# Altium PCB PCB_v4.PcbDoc (part 5 of 7)
Units mm, origin at the board's own origin, x right, y up, seen from the top; angles counter-clockwise.
Board outline 171.45 x 152.4 mm, 6 copper layers (Top Layer, Int1 (GND), Int2 (Sign), Int3 (Sign), Int4 (PWR), Bottom Layer), stack 1.551 mm thick; 408 components, 505 nets, 2356 pads, 897 vias.
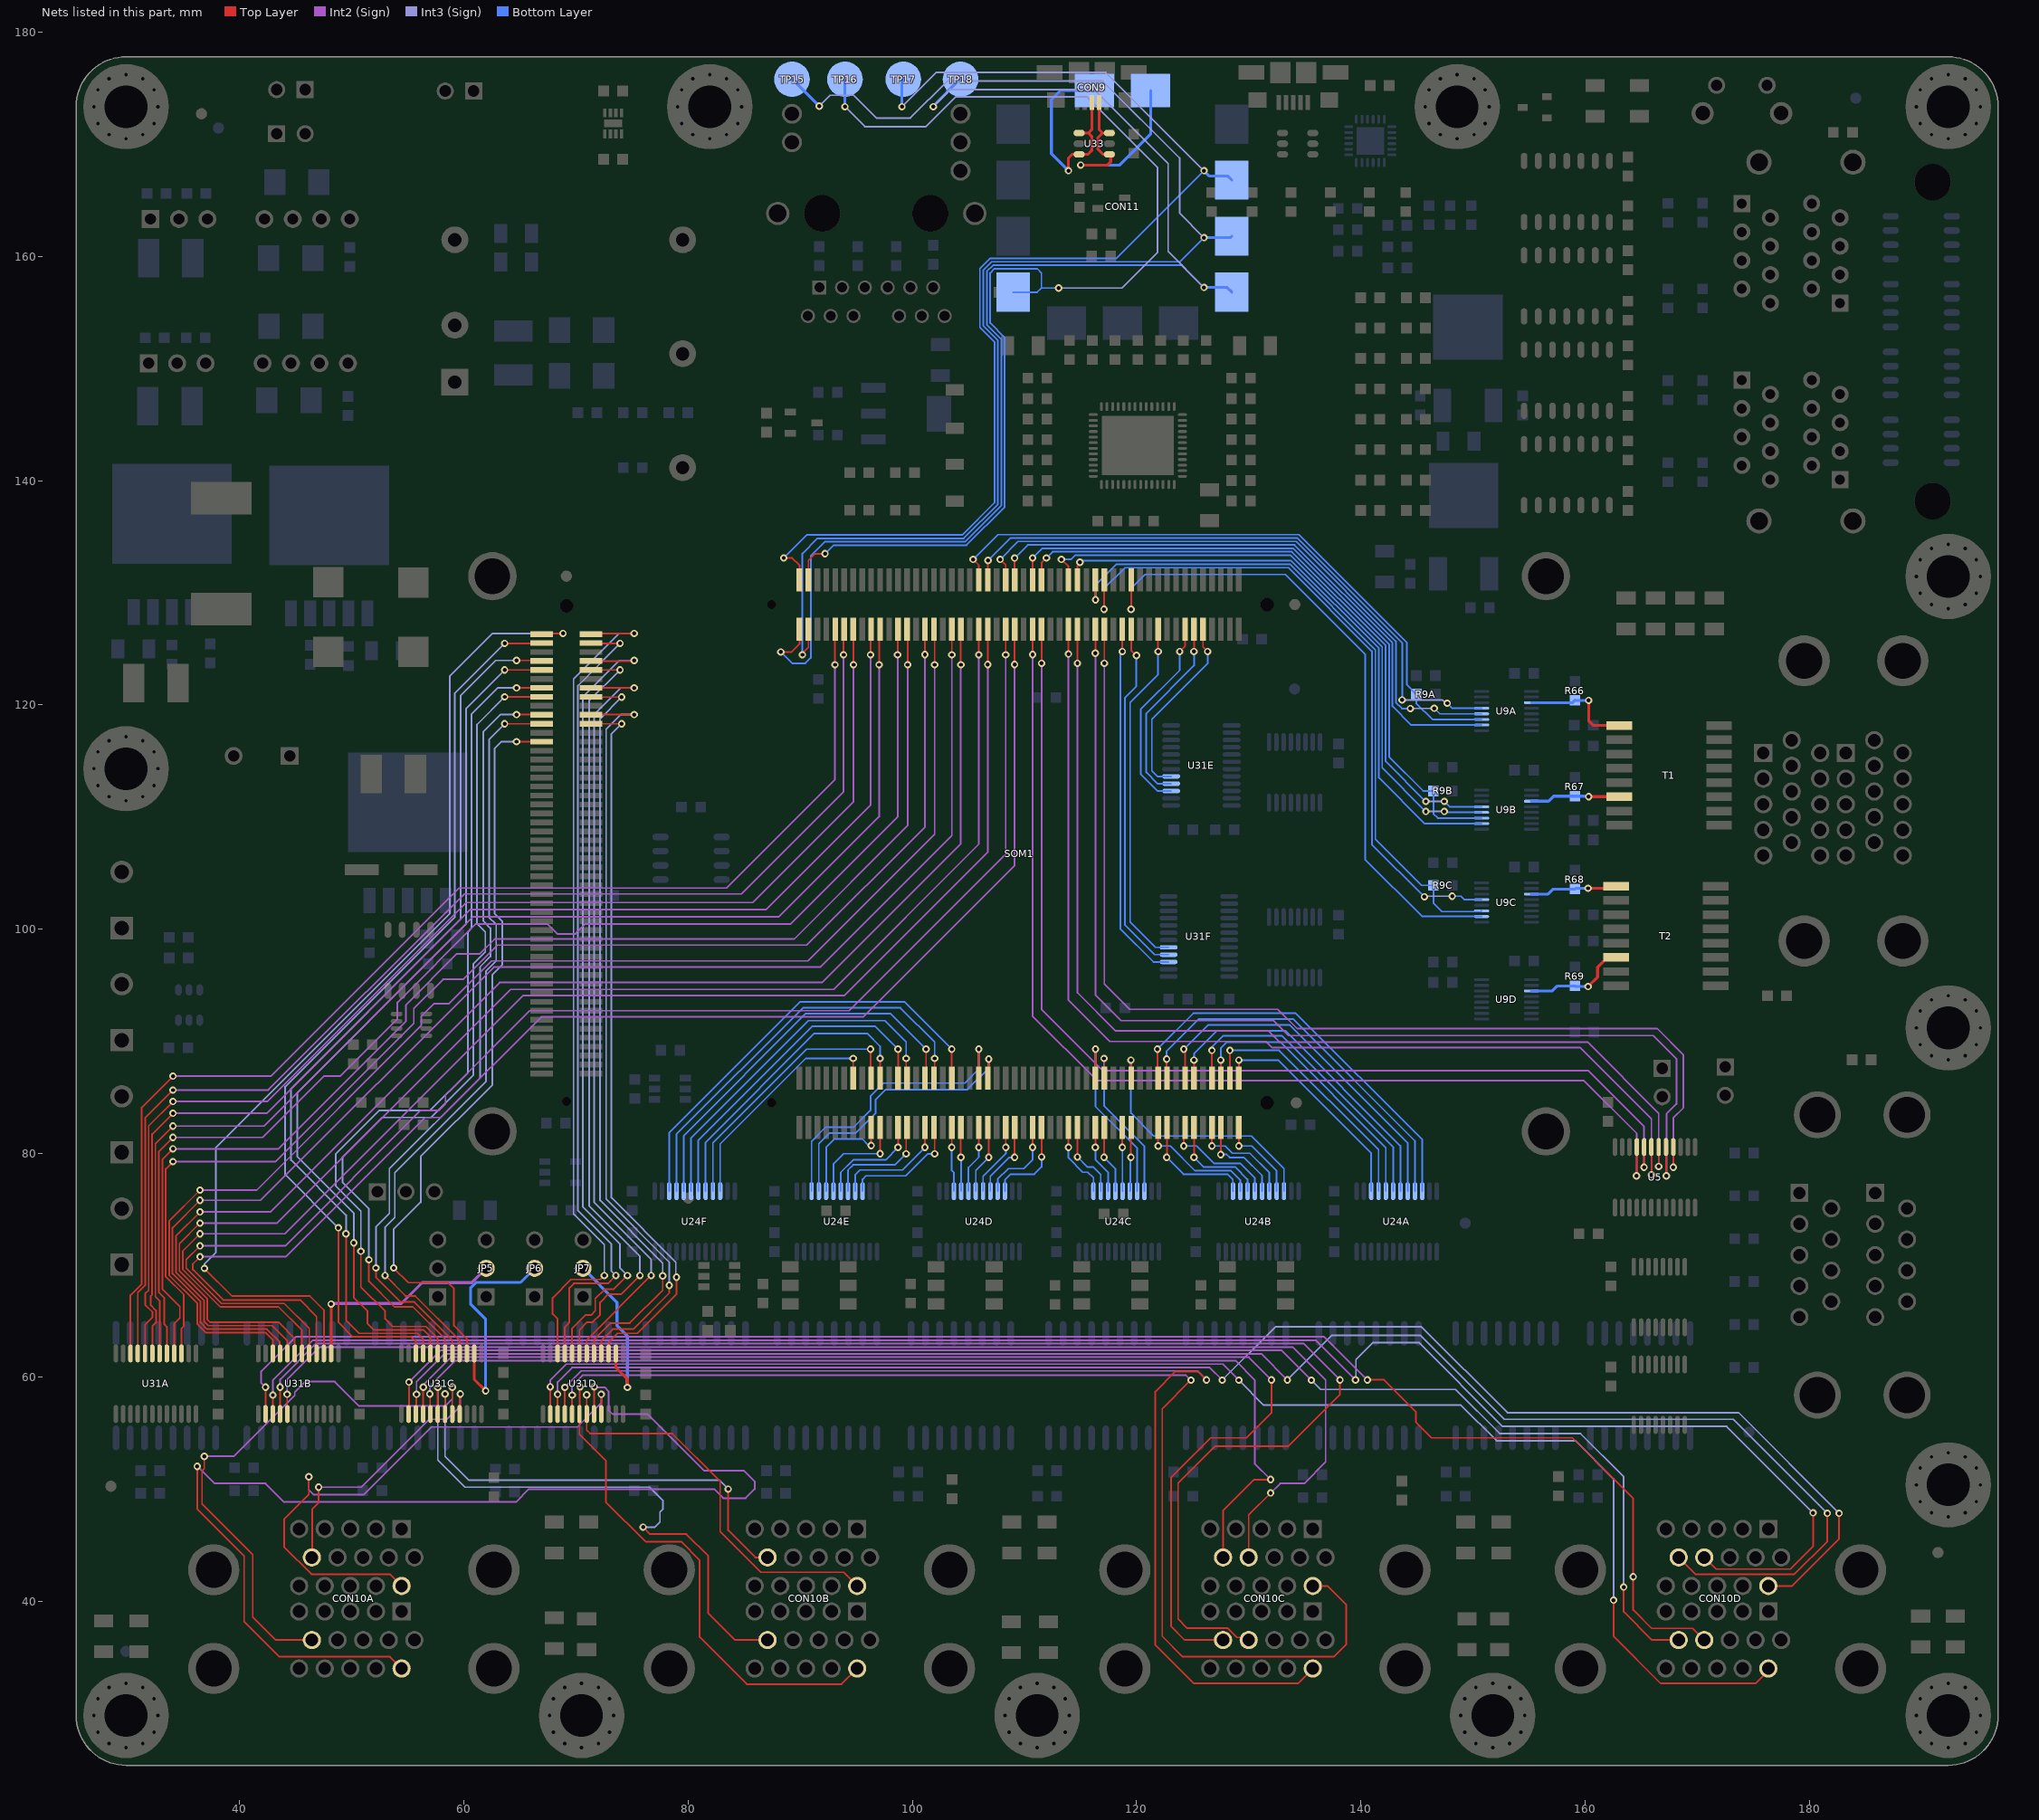
[diagram p9: the nets of this part, all layers, seen from the top]

## Via types
v1: diameter 0.66, hole 0.356, Top Layer to Bottom Layer, tented both sides, 808 vias
v2: diameter 1.016, hole 0.508, Top Layer to Bottom Layer, tented both sides, 72 vias
v3: diameter 0.66, hole 0.343, Top Layer to Bottom Layer, tented both sides, 7 vias
v4: diameter 1.524, hole 0.508, Top Layer to Bottom Layer, tented both sides, 7 vias
v5: diameter 1.524, hole 0.762, Top Layer to Bottom Layer, tented both sides, 2 vias
v6: diameter 2.032, hole 1.016, Top Layer to Bottom Layer, tented both sides, 1 vias

## Nets (pads, with @x,y where several pads share a name; then routed paths per layer and width w, separated by ;. In a path a pad name is that pad's centre, name@x,y a point inside that pad or via, vN(x,y) a via of type N, cw(c..) or ccw(c..) an arc to the next point about the centre after c; other vN are vias at no path point) (continued)
INV_STS_B5: CON10C.9A U31B.17 | length 118.1
  Top Layer w0.152: v1(44.22,58.495) 44.22,56.76 U31B.17@44.245,56.736 ; CON10C.9A@129.997,43.942 129.997,47.74 v1(131.953,49.696)
  Int2 (Sign) w0.152: v1(44.22,58.495) 44.22,59.816 47.117,62.713 133.898,62.713 136.855,59.756 136.855,52.451 134.95,50.546 132.803,50.546 v1(131.953,49.696)
INV_STS_B6: CON10C.9B U31B.16 | length 138.5
  Top Layer w0.152: U31B.16@43.595,56.736 v1(43.595,59.131) ; CON10C.9B@129.997,36.576 129.769,36.804 128.956,36.804 128.128,37.632 124.525,37.632 123.698,38.459 123.698,50.568 126.978,53.848 133.507,53.848 138.137,58.477 v1(138.137,59.782)
  Int2 (Sign) w0.152: v1(43.595,59.131) 43.595,59.835 46.777,63.017 134.901,63.017 v1(138.137,59.782)
INV_STS_B7: CON10D.9A U31B.15 | length 166
  Top Layer w0.152: U31B.15@42.945,56.736 v1(42.945,58.42) ; CON10D.9A@170.637,43.942 171.679,42.901 178.31,42.901 180.34,44.931 v1(180.34,47.919)
  Int2 (Sign) w0.152: v1(42.945,58.42) 42.945,59.735 46.531,63.322 135.989,63.322 v1(139.529,59.782)
  Int3 (Sign) w0.152: v1(139.529,59.782) 139.563,59.816 139.563,61.585 141.097,63.119 145.161,63.119 152.654,55.626 172.633,55.626 v1(180.34,47.919)
INV_STS_B8: CON10D.9B U31B.14 | length 151.6
  Top Layer w0.152: U31B.14@42.295,56.736 v1(42.295,59.125) ; v1(140.584,59.782) 142.075,59.782 144.907,56.95 144.907,56.007 146.304,54.61 158.877,54.61 164.295,49.192 v1(164.295,42.213) 164.295,39.264 165.942,37.617 169.596,37.617 CON10D.9B@170.637,36.576
  Int2 (Sign) w0.152: v1(42.295,59.125) 41.91,59.509 41.91,60.554 44.983,63.627 136.739,63.627 v1(140.584,59.782)
INV_STS_B_DIR: JP5.2 U31B.2 | length 19.6
  Top Layer w0.254: U31B.2@48.145,62.136 v1(48.145,66.548)
  Int2 (Sign) w0.254: v1(48.145,66.548) 48.19,66.594 54.407,66.594 56.266,68.453 60.696,68.453 JP5.2@61.974,69.731
INV_STS_C1: CON10A.10A U31C.21 | length 25
  Top Layer w0.152: CON10A.10A@46.431,43.942 46.461,43.972 46.461,48.27 47.034,48.843 v1(47.034,50.209) ; U31C.21@59.605,56.736 59.633,56.764 59.633,58.49 v1(59.665,58.522)
  Int2 (Sign) w0.152: v1(47.034,50.209) 50.844,50.209 56.896,56.261 58.479,56.261 59.665,57.446 v1(59.665,58.522)
INV_STS_C2: CON10A.10B U31C.20 | length 52.1
  Top Layer w0.152: v1(36.83,52.959) 36.83,51.869 36.627,51.666 36.627,48.717 41.148,44.196 41.148,38.633 43.205,36.576 CON10A.10B@46.431,36.576 ; U31C.20@58.954,56.737 v1@58.954,59.124
  Int2 (Sign) w0.152: v1(36.83,52.959) 39.474,52.959 44.904,58.389 44.904,58.696 45.839,59.631 48.467,59.631 50.651,57.446 58.305,57.446 58.953,58.095 v1(58.953,59.125)
INV_STS_C3: CON10B.10A U31C.19 | length 42
  Top Layer w0.152: U31C.19@58.305,56.736 v1(58.305,58.522) ; v1(83.566,50.038) 83.566,46.367 85.991,43.942 CON10B.10A@87.071,43.942
  Int3 (Sign) w0.152: v1(58.305,58.522) 58.305,52.947 60.413,50.839 82.765,50.839 v1(83.566,50.038)
INV_STS_C4: CON10B.10B U31C.18 | length 52.4
  Top Layer w0.152: U31C.18@57.655,56.736 v1(57.655,59.112) ; v1(75.979,46.642) 76.596,46.025 79.832,46.025 81.788,44.069 81.788,38.964 84.176,36.576 CON10B.10B@87.071,36.576
  Int3 (Sign) w0.152: v1(57.655,59.112) 57.658,59.109 57.658,52.622 60.071,50.209 76.537,50.209 77.749,48.997 77.749,48.26 77.482,47.992 77.482,47.095 77.029,46.642 v1(75.979,46.642)
INV_STS_C5: CON10C.10A U31C.17 | length 96.8
  Top Layer w0.152: v1(56.947,58.522) 56.977,58.491 56.977,56.764 U31C.17@57.005,56.736 ; CON10C.10A@127.711,43.942 127.711,48.128 130.471,50.888 v1(131.953,50.888)
  Int2 (Sign) w0.152: v1(56.947,58.522) 56.947,59.194 59.246,61.493 128.806,61.493 130.556,59.743 130.556,52.285 v1(131.953,50.888)
INV_STS_C6: CON10C.10B U31C.16 | length 112.8
  Top Layer w0.152: U31C.16@56.355,56.736 56.359,56.74 56.359,59.127 v1(56.363,59.131) ; CON10C.10B@127.711,36.576 124.284,36.576 123.063,37.797 123.063,51.048 126.625,54.61 129.804,54.61 132.026,56.831 v1(132.026,59.782)
  Int2 (Sign) w0.152: v1(56.363,59.131) 56.363,59.336 58.825,61.798 130.009,61.798 v1(132.026,59.782)
INV_STS_C7: CON10D.10A U31C.15 | length 156.5
  Top Layer w0.152: U31C.15@55.705,56.736 55.733,56.764 55.733,58.462 v1(55.766,58.495) ; CON10D.10A@168.351,43.942 169.85,42.443 178.677,42.443 181.61,45.376 v1(181.61,47.879)
  Int2 (Sign) w0.152: v1(55.766,58.495) 55.766,59.6 58.269,62.103 131.122,62.103 v1(133.444,59.782)
  Int3 (Sign) w0.152: v1(133.444,59.782) 137.416,63.754 145.299,63.754 152.792,56.261 173.228,56.261 v1(181.61,47.879)
INV_STS_C8: CON10D.10B U31C.14 | length 135
  Top Layer w0.152: U31C.14@55.055,56.736 55.093,56.773 v1(55.093,59.584) ; v1(163.449,41.297) 163.449,39.094 165.967,36.576 CON10D.10B@168.351,36.576
  Int2 (Sign) w0.152: v1(55.093,59.584) 57.917,62.408 132.933,62.408 v1(135.585,59.756)
  Int3 (Sign) w0.152: v1(135.585,59.756) 136.413,58.928 148.444,58.928 152.381,54.991 159.6,54.991 163.449,51.142 v1(163.449,41.297)
INV_STS_C_DIR: JP6.2 U31C.2 | length 19.9
  Top Layer w0.254: U31C.2@60.905,62.136 60.905,59.826 v1(61.93,58.801)
  Bottom Layer w0.254: v1(61.93,58.801) 61.93,65.195 60.579,66.546 60.579,67.97 61.085,68.476 65.039,68.476 JP6.2@66.293,69.731
INV_STS_D1: CON10A.11A U31D.21 | length 52.5
  Top Layer w0.152: v1(46.157,51.142) 46.157,49.568 43.942,47.354 43.942,44.887 46.385,42.443 53.391,42.443 CON10A.11A@54.432,41.402 ; U31D.21@72.245,56.736 v1(72.245,58.495)
  Int2 (Sign) w0.152: v1(46.157,51.142) 46.157,49.982 46.609,49.53 51.054,49.53 57.099,55.575 70.114,55.575 72.245,57.706 v1(72.245,58.495)
INV_STS_D2: CON10A.11B U31D.20 | length 105.5
  Top Layer w0.152: v1(36.195,52.07) 36.195,48.26 40.386,44.069 40.386,38.227 43.536,35.077 53.391,35.077 CON10A.11B@54.432,34.036 ; U31D.20@71.595,56.736 71.607,56.748 71.607,59.144 v1(71.619,59.157)
  Int2 (Sign) w0.152: v1(36.195,52.07) 36.239,52.07 37.763,50.546 42.295,50.546 43.946,48.895 64.634,48.895 65.777,50.038 82.308,50.038 83.12,49.225 85.115,49.225 85.928,50.038 85.928,50.724 84.963,51.689 81.414,51.689 76.381,56.722 73.261,56.722 72.895,57.089 72.895,58.76 72.543,59.111 71.664,59.111 v1(71.619,59.157)
INV_STS_D3: CON10B.11A U31D.19 | length 35.7
  Top Layer w0.152: v1(70.942,58.436) v1(70.942,58.436) 70.943,56.737 U31D.19@70.945,56.736 70.945,55.293 71.247,54.991 78.581,54.991 82.852,50.721 82.852,46.234 86.465,42.621 93.853,42.621 CON10B.11A@95.072,41.402
INV_STS_D4: CON10B.11B U31D.18 | length 45
  Top Layer w0.152: v1(70.349,59.157) 70.322,59.129 70.322,56.763 U31D.18@70.295,56.736 70.295,54.927 72.644,52.578 72.644,48.895 76.188,45.351 79.363,45.351 81.026,43.688 81.026,36.83 85.217,32.639 93.675,32.639 CON10B.11B@95.072,34.036
INV_STS_D5: CON10C.11A U31D.17 | length 107.1
  Top Layer w0.152: U31D.17@69.645,56.736 v1(69.645,58.42) ; v1(124.847,59.756) 122.287,57.196 122.287,36.907 124.117,35.077 137.602,35.077 138.684,36.159 138.684,39.751 137.033,41.402 CON10C.11A@135.712,41.402
  Int2 (Sign) w0.152: v1(69.645,58.42) 69.645,59.281 70.56,60.197 124.406,60.197 v1(124.847,59.756)
INV_STS_D6: CON10C.11B U31D.16 | length 104.8
  Top Layer w0.152: U31D.16@68.995,56.736 v1(68.995,59.112) ; v1(126.228,59.782) 125.476,60.534 123.46,60.534 121.666,58.74 121.666,36.131 125.095,32.703 134.379,32.703 CON10C.11B@135.712,34.036
  Int2 (Sign) w0.152: v1(68.995,59.112) 70.461,60.579 125.431,60.579 v1(126.228,59.782)
INV_STS_D7: CON10D.11A U31D.15 | length 137.4
  Top Layer w0.152: U31D.15@68.345,56.736 v1(68.345,58.495) ; CON10D.11A@176.352,41.402 178.46,41.402 182.665,45.606 v1(182.665,47.879)
  Int2 (Sign) w0.152: v1(68.345,58.495) 68.345,59.584 69.645,60.884 126.507,60.884 v1(127.635,59.756)
  Int3 (Sign) w0.152: v1(127.635,59.756) 132.395,64.516 145.415,64.516 153.079,56.852 173.692,56.852 v1(182.665,47.879)
INV_STS_D8: CON10D.11B U31D.14 | length 133
  Top Layer w0.152: U31D.14@67.695,56.736 v1(67.695,59.157) ; v1(162.538,40.132) 162.538,36.914 166.75,32.703 175.222,32.703 176.124,33.605 176.124,33.808 CON10D.11B@176.352,34.036
  Int2 (Sign) w0.152: v1(67.695,59.157) 67.695,59.766 69.118,61.189 127.711,61.189 129.118,59.782 v1(129.118,59.756)
  Int3 (Sign) w0.152: v1(129.118,59.756) 131.343,57.531 148.924,57.531 152.099,54.356 159.131,54.356 162.538,50.949 v1(162.538,40.132)
INV_STS_D_DIR: JP7.2 U31D.2 | length 15.8
  Top Layer w0.152: U31D.2@73.545,62.136 U31D.2@73.587,62.178
  Top Layer w0.254: U31D.2@73.545,62.136 73.545,60.879 74.57,59.854 v1(74.57,59.112)
  Bottom Layer w0.254: JP7.2@70.612,69.731 73.651,66.692 73.651,64.618 74.57,63.699 v1(74.57,59.112)
IPA: R66.1 T1.1 U9A.11 | length 9.9
  Top Layer w0.254: v1(160.318,120.396) 160.318,118.576 160.743,118.151 T1.1@163.068,118.151
  Bottom Layer w0.254: U9A.11@155.221,120.194 158.893,120.194 R66.1@159.099,120.4 159.102,120.396 v1(160.318,120.396)
IPB: R67.1 T1.6 U9B.11 | length 8.1
  Top Layer w0.254: v1(160.318,111.801) T1.6@163.068,111.801
  Bottom Layer w0.254: U9B.11@155.221,111.4 156.746,111.4 157.196,111.85 R67.1@159.099,111.85 160.269,111.85 v1(160.318,111.801)
IPC: R68.1 T2.1 U9C.11 | length 7.8
  Top Layer w0.254: v1(160.274,103.632) 162.58,103.632 T2.1@162.773,103.825
  Bottom Layer w0.254: U9C.11@155.221,103.115 156.709,103.115 157.159,103.565 R68.1@159.099,103.565 159.166,103.632 v1(160.274,103.632)
IPD: R69.1 T2.6 U9D.11 | length 9.4
  Top Layer w0.254: v1(160.274,94.869) 161.119,95.714 161.119,96.598 161.996,97.475 T2.6@162.773,97.475
  Bottom Layer w0.254: U9D.11@155.221,94.476 157.087,94.476 157.537,94.926 R69.1@159.099,94.926 159.156,94.869 v1(160.274,94.869)
JTAG_TCK: CON11.2 SOM1.JX1-1 TP17.1 | length 106.1
  Top Layer w0.152: v1(88.519,133.096) 89.281,133.096 89.918,132.459 SOM1.JX1-1@89.918,131.146
  Int3 (Sign) w0.152: v1(99.06,173.355) 102.108,176.403 117.25,176.403 v1(126.013,167.64)
  Bottom Layer w0.152: v1(88.519,133.096) 90.576,135.153 104.445,135.153 107.315,138.024 107.315,152.377 106.02,153.672 106.02,158.906 106.936,159.822 118.196,159.822 v1(126.013,167.64)
  Bottom Layer w0.254: v1(99.06,173.355) 99.06,175.728 TP17.1@99.187,175.855 ; v1(126.013,167.64) 126.498,167.155 128.141,167.155 CON11.2@128.495,166.801
JTAG_TDI: CON11.3 SOM1.JX1-4 TP15.1 | length 124.7
  Top Layer w0.152: v1(90.184,124.46) 90.184,124.592 90.718,125.126 SOM1.JX1-4@90.718,126.746
  Int3 (Sign) w0.152: v1(91.694,173.402) 92.663,174.371 94.742,174.371 96.774,172.339 99.82,172.339 103.122,175.641 116.967,175.641 123.825,168.783 123.825,163.859 v1(126.013,161.671)
  Bottom Layer w0.152: v1(90.184,124.46) 90.184,133.491 91.542,134.849 104.571,134.849 107.62,137.897 107.62,152.503 106.324,153.798 106.324,158.779 107.062,159.518 123.86,159.518 v1(126.013,161.671)
  Bottom Layer w0.254: TP15.1@89.256,175.855 89.256,175.841 v1(91.694,173.402) ; v1(126.013,161.671) 128.365,161.671 CON11.3@128.495,161.801
JTAG_TDO: CON11.8 SOM1.JX1-3 TP16.1 | length 105.6
  Top Layer w0.152: SOM1.JX1-3@90.718,131.146 90.718,132.882 91.313,133.477 v1(92.202,133.477)
  Int3 (Sign) w0.152: v1(93.98,173.355) 95.758,171.577 101.219,171.577 103.886,174.244 115.561,174.244 121.855,167.95 121.855,160.336 118.701,157.182 v1(113.044,157.182)
  Bottom Layer w0.152: v1(92.202,133.477) 92.964,134.239 104.824,134.239 108.229,137.645 108.229,152.756 106.934,154.051 106.934,158.527 107.315,158.908 111.125,158.908 111.506,158.527 111.506,157.182 ; CON11.8@108.995,156.801 111.125,156.801 111.506,157.182 ; v1(113.044,157.182) 111.506,157.182
  Bottom Layer w0.254: v1(93.98,173.355) TP16.1@93.98,175.804 TP16.1@93.98,175.855
JTAG_TMS: CON11.4 SOM1.JX1-2 TP18.1 | length 119.2
  Top Layer w0.152: v1(88.265,124.708) 89.207,124.708 89.918,125.419 SOM1.JX1-2@89.918,126.746
  Int3 (Sign) w0.152: v1(101.854,173.355) 103.378,174.879 116.205,174.879 122.809,168.275 122.809,160.43 v1(126.013,157.226)
  Bottom Layer w0.152: v1(88.265,124.708) 89.275,123.698 90.449,123.698 90.932,124.181 90.932,133.3 92.176,134.544 104.697,134.544 107.925,137.771 107.925,152.629 106.629,153.925 106.629,158.653 107.189,159.213 124.026,159.213 v1(126.013,157.226)
  Bottom Layer w0.254: v1(101.854,173.355) 101.854,173.417 TP18.1@104.292,175.855 ; v1(126.013,157.226) 128.07,157.226 CON11.4@128.495,156.801
JTAG_USB_N: CON9.2 CON11.13 U33.4 U33.6 | length 21.1
  Top Layer w0.254: v1(115.013,168.148) 117.394,168.148 117.69,168.444 117.69,169.103 U33.4@117.568,169.103 117.002,169.103 116.536,169.569 116.536,170.581 116.958,171.003 ; CON9.2@116.652,173.728 116.652,171.309 116.958,171.003 ; U33.6@117.568,171.003 116.958,171.003
  Bottom Layer w0.254: v1(115.013,168.148) 118.491,168.148 121.245,170.902 CON11.13@121.245,174.801
JTAG_USB_P: CON9.3 CON11.12 U33.1 U33.3 | length 20
  Top Layer w0.254: v1(113.919,167.64) 113.919,168.783 114.239,169.103 U33.3@114.868,169.103 115.668,169.103 116.002,169.437 116.002,170.713 115.712,171.003 ; U33.1@114.868,171.003 115.712,171.003 ; CON9.3@116.002,173.728 116.002,171.293 115.712,171.003
  Bottom Layer w0.254: v1(113.919,167.64) 112.395,169.164 112.395,173.99 113.206,174.801 CON11.12@116.245,174.801
LV_ENC_1A: SOM1.JX1-54 U5.21 | length 99.1
  Top Layer w0.152: v1(110.718,124.486) SOM1.JX1-54@110.718,126.746 ; v1(164.592,77.978) 164.605,77.991 164.605,80.538 U5.21@164.618,80.551
  Int2 (Sign) w0.152: v1(110.718,124.486) 110.718,92.228 116.459,86.487 159.885,86.487 164.618,81.754 164.618,78.004 v1(164.592,77.978)
LV_ENC_1B: SOM1.JX1-56 U5.20 | length 97.4
  Top Layer w0.152: SOM1.JX1-56@111.518,126.746 111.518,123.702 v1(111.522,123.698) ; v1(165.268,78.749) U5.20@165.268,80.551
  Int2 (Sign) w0.152: v1(111.522,123.698) 111.522,92.821 116.967,87.376 160.274,87.376 165.268,82.382 v1(165.268,78.749)
LV_ENC_1Z: SOM1.JX1-62 U5.19 | length 96.9
  Top Layer w0.152: v1(113.918,124.536) SOM1.JX1-62@113.918,126.746 ; v1(165.918,78.074) U5.19@165.918,80.551
  Int2 (Sign) w0.152: v1(113.918,124.536) 113.918,93.661 117.607,89.971 131.536,89.971 132.095,89.412 159.575,89.412 165.918,83.069 v1(165.918,78.074)
LV_ENC_2A: SOM1.JX1-64 U5.18 | length 95.2
  Top Layer w0.152: v1(114.718,123.702) SOM1.JX1-64@114.718,126.746 ; v1(166.568,78.819) U5.18@166.568,80.551
  Int2 (Sign) w0.152: v1(114.718,123.702) 114.718,94.32 118.106,90.932 131.743,90.932 132.759,89.916 160.214,89.916 166.568,83.562 v1(166.568,78.819)
LV_ENC_2B: SOM1.JX1-68 U5.17 | length 100.2
  Top Layer w0.152: v1(116.318,124.599) SOM1.JX1-68@116.318,126.746 ; U5.17@167.218,80.551 167.238,80.531 167.238,77.999 v1(167.259,77.978)
  Int2 (Sign) w0.152: v1(116.318,124.599) 116.318,94.126 118.623,91.821 132.214,91.821 133.539,90.497 166.08,90.497 168.148,88.428 168.148,84.382 167.259,83.493 v1(167.259,77.978)
LV_ENC_2Z: SOM1.JX1-70 U5.16 | length 98.1
  Top Layer w0.152: v1(117.118,123.702) SOM1.JX1-70@117.118,126.746 ; v1(167.868,78.749) U5.16@167.868,80.551
  Int2 (Sign) w0.152: v1(117.118,123.702) 117.118,95.099 119.38,92.837 132.595,92.837 134.313,91.12 166.434,91.12 168.783,88.771 168.783,84.055 167.868,83.14 v1(167.868,78.749)
LV_INV1_PWM1: SOM1.JX2-20 U24E.6 | length 9.3
  Top Layer w0.152: v1(97.118,79.962) SOM1.JX2-20@97.118,82.296
  Bottom Layer w0.152: U24E.6@92.952,76.614 92.952,79.029 93.885,79.962 v1(97.118,79.962)
LV_INV1_PWM2: SOM1.JX2-18 U24E.5 | length 10.1
  Top Layer w0.152: v1(96.315,80.686) 96.315,82.195 96.266,82.244 SOM1.JX2-18@96.318,82.296
  Bottom Layer w0.152: U24E.5@92.302,76.614 92.302,80.538 93.043,81.28 95.504,81.28 96.098,80.686 v1(96.315,80.686)
LV_INV1_PWM3: SOM1.JX2-43 U24E.4 | length 25.5
  Top Layer w0.152: SOM1.JX2-43@106.718,86.696 106.807,86.785 v1(106.807,88.391) v1@106.807,88.519
  Bottom Layer w0.152: U24E.4@91.652,76.614 91.652,80.855 92.601,81.804 94.954,81.804 96.71,83.561 96.71,84.751 97.639,85.68 104.896,85.68 106.807,87.591 v1(106.807,88.391)
LV_INV1_PWM4: SOM1.JX2-41 U24E.3 | length 27.1
  Top Layer w0.152: SOM1.JX2-41@105.918,86.696 v1(105.918,89.281)
  Bottom Layer w0.152: U24E.3@91.002,76.614 91.002,81.059 92.274,82.331 94.777,82.331 96.266,83.82 96.266,85.082 97.436,86.252 104.674,86.252 105.918,87.496 v1(105.918,89.281)
LV_INV1_PWM5: SOM1.JX2-13 U24F.10 | length 21
  Top Layer w0.152: SOM1.JX2-13@94.718,86.696 v1(94.718,88.454)
  Bottom Layer w0.152: U24F.10@82.852,76.614 82.852,80.826 90.48,88.454 v1(94.718,88.454)
LV_INV1_PWM6: SOM1.JX2-17 U24F.9 | length 24.4
  Top Layer w0.152: v1(96.266,89.281) 96.266,86.748 SOM1.JX2-17@96.318,86.696
  Bottom Layer w0.152: U24F.9@82.202,76.614 82.202,80.92 90.563,89.281 v1(96.266,89.281)
LV_INV2_PWM1: SOM1.JX2-31 U24F.4 | length 37.3
  Top Layer w0.152: SOM1.JX2-31@101.918,86.696 101.981,86.759 v1(101.981,88.454)
  Bottom Layer w0.152: U24F.4@78.952,76.614 78.952,81.679 90.237,92.964 98.933,92.964 101.981,89.916 v1(101.981,88.454)
LV_INV2_PWM2: SOM1.JX2-29 U24F.5 | length 35
  Top Layer w0.152: SOM1.JX2-29@101.118,86.696 101.219,86.797 v1(101.219,89.281)
  Bottom Layer w0.152: U24F.5@79.602,76.614 79.602,81.568 90.49,92.456 98.044,92.456 v1(101.219,89.281)
LV_INV2_PWM3: SOM1.JX2-25 U24F.6 | length 32.3
  Top Layer w0.152: v1(99.441,88.454) 99.441,86.773 SOM1.JX2-25@99.518,86.696
  Bottom Layer w0.152: U24F.6@80.252,76.614 80.252,81.363 90.709,91.821 97.541,91.821 99.441,89.921 v1(99.441,88.454)
LV_INV2_PWM4: SOM1.JX2-23 U24F.7 | length 30
  Top Layer w0.152: SOM1.JX2-23@98.718,86.696 v1(98.718,89.281)
  Bottom Layer w0.152: U24F.7@80.902,76.614 80.902,81.17 91.045,91.313 96.686,91.313 v1(98.718,89.281)